# KiCad board Scan_Head_Set-Relay_board.kicad_pcb (continued)
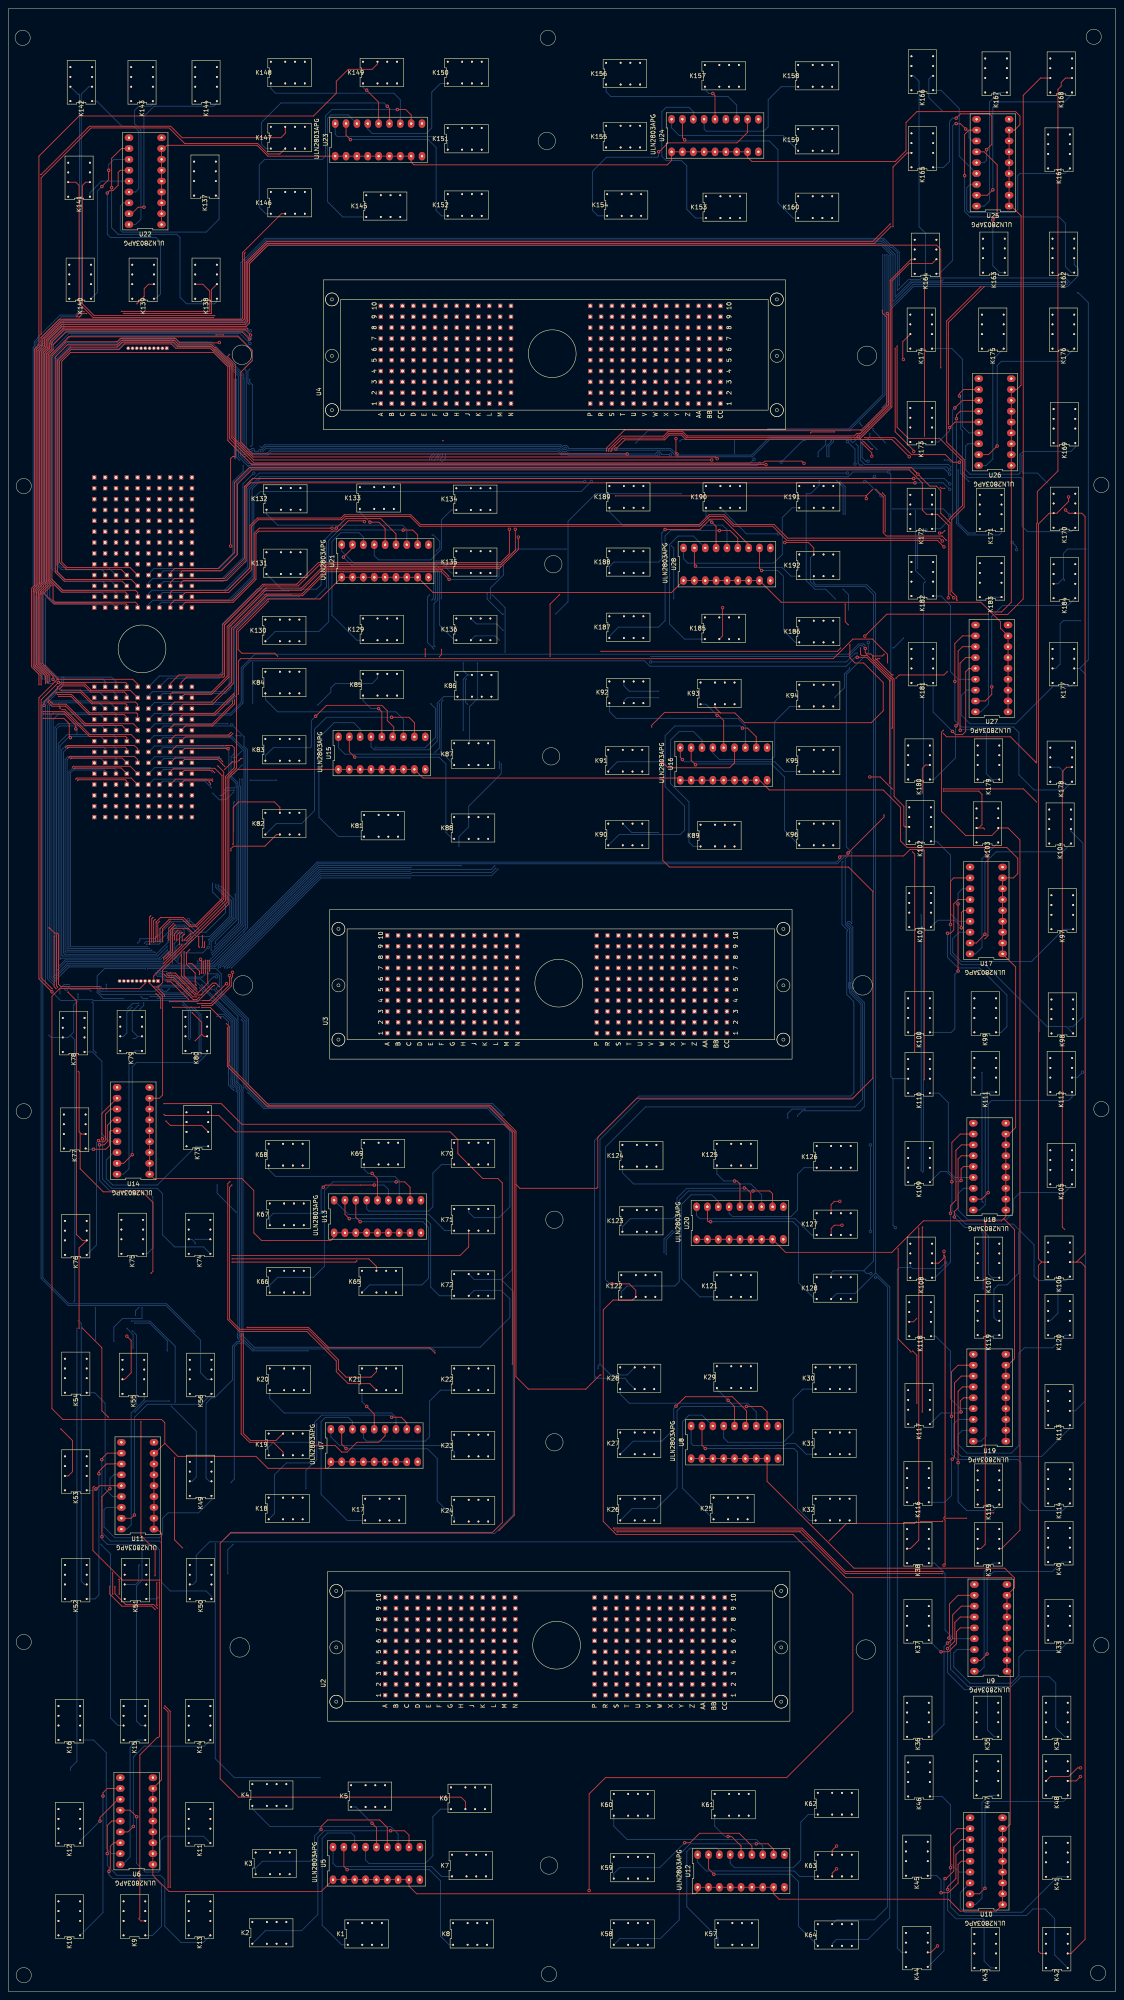
[diagram p0: board, top side]
## Routing (per net, layer and track width the routed paths; a pad name or vN(x,y) marks a point on that pad's centre or on a via; arc(x,y) is an arc through that point) (continued)
IO103: length 618.3
  Top w0.2: v11(165.86,358.71) 165.45,359.11 57.25,359.11 52.51,363.86 52.51,380.74 48.5,384.74 48.19,384.74 47.58,385.36 39.88,385.36 38.86,386.37 26.4,386.37 25.37,385.35 13.74,385.35 11.03,382.63 11.03,332.07 13.04,330.05 26.56,330.05 U1.L7
  +12V w0.2: v11(165.86,358.71) 165.86,358.65 167.64,356.87 167.64,348.23 K190.11 ; 201.17,195.58 203.45,197.87 203.45,336.3 198.63,341.12 v3(180.15,341.12) ; 201.17,195.58 199.64,194.06 193.8,194.06 K126.11 ; 201.17,195.58 202.69,195.58 205.99,192.28 205.99,47.75 201.42,43.18 194.56,43.18 K62.11
  Bottom w0.2: v3(180.15,341.12) 172.72,341.12 K190.11
IO104: length 608.6
  Top w0.2: v11(164.59,358.41) 57.38,358.41 52.11,363.69 52.11,380.57 48.34,384.34 48.03,384.34 47.41,384.96 39.62,384.96 38.61,385.97 26.56,385.97 25.4,384.81 14.48,384.81 11.43,381.76 11.43,332.23 13.21,330.45 28.7,330.45 U1.L6
  +12V w0.2: K190.21 166.62,356.38 v11(164.59,358.41)
  AGND w0.2: v12(201.74,198.12) 200.47,199.39 200.15,199.39 ; 200.15,199.39 193.55,199.39 192.53,198.37 K126.21 ; 200.15,199.39 202.29,201.52 202.29,325.53 200.66,327.15 183.64,327.15 180.85,329.95 180.85,342.65 173.23,350.27 167.64,350.27 166.62,351.28 K190.21 ; K62.21 192.79,47.5 195.58,50.29 203.45,50.29 205.74,52.58 205.74,173.86 v12(201.74,177.86)
  Bottom w0.2: v12(201.74,177.86) v12(201.74,198.12)
IO105: length 692.9
  Top w0.2: U1.M6 30.23,327.41 29.72,327.91 12.7,327.91 10.16,330.45 10.16,382.78 13.46,386.08 25.4,386.08 26.16,386.84 39.12,386.84 40.13,385.83 49.26,385.83 v11(49.34,385.9)
  +12V w0.2: K189.11 142.49,348.74 142.49,355.85 141.86,356.49 ; K125.11 170.18,194.31 176.28,194.31 177.17,195.2 ; v11(49.34,385.9) 49.34,383.73 53.85,379.22 53.85,361.44 57.91,357.38 87.69,357.38 87.8,357.27 133.82,357.27 133.93,357.38 134.99,357.38 135.5,356.87 139.79,356.87 140.18,357.27 141.08,357.27 141.86,356.49 ; K61.11 170.94,43.43 181.61,43.43 182.63,44.45 182.63,45.47 198.12,60.96 198.12,94.63 184.87,107.87 184.87,153.96 181.86,156.97 166.12,156.97 163.58,159.51 163.58,168.4 165.35,170.18 180.56,170.18 183.86,173.48 183.86,190.54 179.2,195.2 177.17,195.2 ; 141.86,356.49 150.24,356.49 152.27,354.46 152.27,259.97 155.59,256.65 189.63,256.65 197.1,249.17 197.1,206.25 196.09,205.23 184.91,205.23 177.17,197.48 177.17,195.2
IO106: length 652.5
  Top w0.2: U1.M7 27.69,327.15 27.32,327.51 12.53,327.51 9.65,330.4 9.65,382.84 14.06,387.24 53.77,387.24 57,384.02 57,381.61 54.36,378.97 54.36,362.57 57.11,359.81 v11(144.78,359.81)
  +12V w0.2: v11(144.78,359.81) v10(144.78,357.19)
  AGND w0.2: v10(144.78,357.19) 144.78,353.06 K189.21 146.05,350.27 149.61,350.27 150.62,349.25 150.62,330.45 154.69,326.39 194.31,326.39 197.36,323.34 197.36,233.43 200.66,230.12 200.66,207.21 198.18,204.72 187.2,204.72 180.1,197.63 ; 180.1,197.63 169.91,197.63 K125.21 ; 180.1,197.63 182.47,195.26 182.47,110.13 197.87,94.74 197.87,64.01 181.36,47.5 169.42,47.5 168.66,46.74 K61.21
IO107: length 725.3
  +12V w0.2: v3(130.3,361.13) 131.83,359.6 v10(131.83,358.2)
  AGND w0.2: 154.94,180.09 155.45,180.59 155.45,197.61 163.07,205.23 198.12,205.23 200.26,207.37 200.26,229.96 196.96,233.26 196.96,249.07 189.23,256.79 154.94,256.79 151.64,260.1 151.64,314.04 150.21,315.47 145.29,315.47 K187.11 143,317.75 134.37,317.75 131.06,321.06 131.06,357.44 v10(131.83,358.2) ; 154.94,180.09 154.18,179.32 147.83,179.32 147.07,178.56 K123.11 ; 154.94,180.09 154.94,115.32 161.29,108.97 182.12,108.97 197.47,93.62 197.47,64.26 181.21,48.01 160.53,48.01 145.8,33.27 145.8,27.18 K59.11
  Bottom w0.2: U1.M8 25.15,327.41 24.64,327.91 12.7,327.91 9.76,330.85 9.76,382.63 14.73,387.6 53.59,387.6 57.06,384.14 57.06,381.67 55.37,379.98 55.37,379.48 55.63,379.22 55.63,361.44 56.22,360.85 56.7,360.85 56.7,360.86 56.96,361.13 57.34,361.13 57.6,360.86 57.6,360.49 57.51,360.4 58.48,360.4 58.48,360.64 58.74,360.9 59.45,360.9 60.09,361.55 129.12,361.55 129.85,360.83 130,360.83 v3(130.3,361.13)
IO108: length 727.1
  +12V w0.2: 143.13,320.93 149.99,320.93 151.38,319.53 151.38,314.2 v10(150.94,313.75) ; 143.13,320.93 142.49,320.29 133.6,320.29 130.11,323.79 v10(130.11,325.63) ; 143.13,320.93 K187.21 ; v3(56.5,385.69) 57.4,384.78 57.4,381.51 55.37,379.48 55.37,361.19 58.67,357.89 61.5,357.89 61.61,357.78 128.23,357.78 128.85,358.39 129.63,358.39 v10(129.82,358.2)
  AGND w0.2: v10(150.94,313.75) 151.24,313.45 151.24,259.93 154.77,256.39 188.87,256.39 196.56,248.7 196.56,233.09 199.86,229.79 199.86,207.54 198.09,205.77 163.04,205.77 155.14,197.87 154.94,197.87 154.94,181.61 153.67,180.34 149.61,180.34 148.34,181.61 ; v10(130.11,325.63) 130.05,325.69 130.05,357.97 v10(129.82,358.2) ; 148.34,181.61 K123.21 ; 148.34,181.61 146.3,179.58 146.3,175.77 148.59,173.48 153.67,173.48 154.54,172.61 154.54,115.15 161.12,108.57 181.95,108.57 197.07,93.45 197.07,64.43 181.13,48.49 160.45,48.49 145.03,33.08 K59.21
  Bottom w0.2: U1.M9 22.61,326.64 21.84,327.41 12.45,327.41 9.36,330.49 9.36,383.25 14.12,388 54.18,388 v3(56.5,385.69)
IO109: length 773.9
  +12V w0.2: 148.08,193.04 148.3,193.04 160.53,205.27 160.53,206.25 161.8,207.52 194.31,207.52 196.3,209.51 196.3,248.84 189.3,255.85 154.81,255.85 150.98,259.68 150.98,312.31 150.88,312.42 140.72,312.42 129.41,323.73 129.41,329.31 132.08,331.98 132.08,332.74 132.71,333.38 142.62,333.38 ; 148.08,193.04 149.86,191.26 153.67,191.26 153.54,191.13 153.54,168.28 166.02,155.8 181.2,155.8 183.64,153.36 183.64,106.88 196.95,93.57 196.95,65.18 181.45,49.69 181.16,49.98 156.4,49.98 150.11,43.69 146.81,43.69 145.03,41.91 K60.11 ; 148.08,193.04 K124.11 ; v10(153.67,344.68) 153.67,354.58 150.96,357.29 148.08,357.29 148.08,357.38 147.57,357.89 147.57,358.9 148.14,358.9 v10(148.84,359.6) ; 142.62,333.38 K188.11 ; 142.62,333.38 142.24,333.76 142.24,338.33 146.3,342.39 v10(151.32,342.39) ; v10(157.73,363.41) 157.03,364.11 129.16,364.11 129.03,363.98 129.03,363.73 126.49,361.19 59.18,361.19 58.17,362.2 58.17,377.95 57.91,378.21 57.91,379.48 58.71,380.28 58.71,388.07 58.42,388.37 56.91,388.37 v3(56.64,388.64)
  AGND w0.2: v10(153.67,344.68) 152.08,344.68 151.32,343.92 v10(151.32,342.39) ; v10(157.73,363.41) 157.73,362.2 157.51,361.98 151.09,361.98 148.84,359.73 v10(148.84,359.6)
  Bottom w0.2: U1.N9 21.74,324.72 10.5,324.72 9.14,326.08 9.14,329.58 8.56,330.16 8.56,383.58 9.25,384.27 9.25,384.98 13.08,388.8 55.95,388.8 56.13,388.62 56.15,388.64 v3(56.64,388.64)
IO110: length 735.2
  Top w0.2: v9(156.21,363.41) 156.21,360.07 v11(156.46,359.81)
  +12V w0.2: v10(57.34,377.62) 57.15,377.43 57.15,361.56 58.1,360.61 126.62,360.61 129.42,363.41 v10(138.68,363.41) ; v10(154.24,184.15) 154.24,168.28 166.06,156.46 181.1,156.46 184.15,153.42 184.15,106.93 197.36,93.73 197.36,64.77 197.1,64.77 181.61,49.28 v10(178.82,49.28) ; K188.21 144.02,337.31 145.03,338.33 149.35,338.33 150.24,339.22 ; 150.24,339.22 151.78,337.67 151.78,259.89 155.43,256.25 189.46,256.25 196.7,249.01 196.7,207.37 195.83,206.5 185.42,206.5 184.42,205.5 v10(161.78,205.5) ; 150.24,339.22 151.32,340.3 v10(151.32,341.12) ; v11(156.46,359.81) 156.46,344.09 v10(156.29,343.92)
  AGND w0.2: K124.21 148.59,196.6 153.92,196.6 154.05,196.72 ; v10(156.29,343.92) 154.12,343.92 v10(151.32,341.12) ; 154.05,196.72 154.24,196.53 v10(154.24,184.15) ; 154.05,196.72 154.43,197.1 154.43,198.37 161.56,205.5 v10(161.78,205.5) ; v9(156.21,363.41) 156.21,363.47 155.96,363.73 139,363.73 v10(138.68,363.41) ; v10(178.82,49.28) 146.81,49.28 145.03,47.5 K60.21 ; v12(56.64,386.84) 56.9,386.59 57.91,386.59 57.91,381.76 55.63,379.48 55.63,379.33 v10(57.34,377.62)
  Bottom w0.2: v12(56.64,386.84) 55.08,388.4 13.25,388.4 9.65,384.81 9.65,384.11 8.96,383.41 8.96,330.33 9.65,329.63 9.65,326.14 10.67,325.12 23.88,325.12 U1.N8
IO111: length 849.8
  Top w0.2: v11(56.65,387.64) 55.42,388.87 12.95,388.87 10.16,386.08 10.16,385.63 10.01,385.48 10.01,384.33 8.85,383.17 8.85,330.06 9.95,328.97 8.23,327.25 10.76,324.72 27.52,324.72 27.69,324.55 U1.N7 ; v5(141.22,165.61) 145.29,165.61 146.81,164.08 K122.11 146.07,161.81 141.49,161.81 139.19,159.51 139.19,109.98 142.24,106.93 183.64,106.93 197.61,92.96 197.61,65.53 182.12,50.04 139.7,50.04 135.89,46.23 v11(135.89,23.62)
  +12V w0.2: 197.87,321.82 198.63,321.82 201.59,318.86 201.59,316.08 v3(201.23,315.72) ; 197.87,321.82 197.87,325.31 v10(200.41,327.85) ; 197.87,321.82 193.29,317.25 189.23,317.25 188.47,316.48 K186.11 ; v3(198.12,357.46) 198.12,348.15 v10(202.35,343.92) ; K58.11 143.76,9.65 138.43,9.65 135.89,12.19 v11(135.89,23.62) ; v3(196.34,362.71) 129.29,362.71 126.77,360.2 57.94,360.2 56.64,361.5 56.64,379.22 58.31,380.89 58.31,386.75 58.08,386.99 57.3,386.99 v11(56.65,387.64)
  AGND w0.2: v10(202.35,343.92) 202.65,343.62 202.65,329.44 201.07,327.85 v10(200.41,327.85)
  Bottom w0.2: v3(196.34,362.71) 198.12,360.93 v3(198.12,357.46) ; v5(141.22,165.61) 140.72,165.61 139.7,166.62 139.7,197.61 149.1,207.01 198.12,207.01 199.9,208.79 199.9,231.24 197.21,233.92 197.21,234.67 197.18,234.71 197.18,234.82 197.13,234.98 197.14,234.99 197.13,235.01 197.13,235.01 197.12,235.02 197.12,235.18 197.09,235.35 197.11,235.37 197.11,235.45 197.1,235.45 197.11,235.51 197.11,235.67 197.1,235.72 197.11,235.73 197.11,235.74 197.13,235.76 197.13,235.77 197.13,235.81 197.12,235.83 197.13,235.86 197.13,235.99 197.16,236.01 197.16,236.09 197.19,236.12 197.21,236.19 197.21,248.81 196.24,249.78 196.24,250.16 196.5,250.42 196.88,250.42 197.36,249.94 197.36,266.59 196.09,267.86 196.09,308.19 201.23,313.33 v3(201.23,315.72)
IO112: length 845.9
  Top w0.2: v11(56.38,386.68) 54.69,388.37 13.46,388.37 10.41,385.32 10.41,384.16 9.25,383 9.25,330.23 10.41,329.07 10.41,325.63 10.92,325.12 29.72,325.12 30.23,324.61 U1.N6
  +12V w0.2: v10(197.8,207.26) 197.51,207.56 197.51,249.34 189.8,257.05 155.76,257.05 152.67,260.14 152.67,287.09 152.68,287.08 153.26,287.08 153.67,287.49 153.67,288.07 153.26,288.48 152.68,288.48 152.67,288.47 152.67,288.52 152.94,288.8 152.91,288.8 152.91,316.74 155.19,319.02 159.51,319.02 ; 159.51,319.02 171.2,319.02 171.82,318.4 v10(173.11,318.4) ; 159.51,319.02 152.97,325.57 152.97,354.71 150.79,356.89 147.9,356.89 146.87,357.91 146.87,358.93 147.07,359.12 v10(147.07,359.6) ; v11(56.38,386.68) 56.67,386.39 57.71,386.39 57.91,386.59 57.91,381.25 56.13,379.48 56.13,361.44 57.91,359.66 127.25,359.66 129.42,361.83 134.49,361.83 v10(135.64,360.68)
  AGND w0.2: v10(197.8,207.26) 197.55,207.01 148.08,207.01 141.22,200.15 141.22,175.51 146.81,169.93 K122.21 146.81,166.37 145.54,165.1 142.49,165.1 138.43,161.04 138.43,109.22 139.95,107.7 181.86,107.7 196.67,92.89 196.67,64.77 182.19,50.29 139.19,50.29 136.4,47.5 136.4,18.8 137.67,17.53 144.27,17.53 145.03,16.76 K58.21 ; v10(173.11,318.4) 177.18,318.4 181.61,322.83 187.45,322.83 188.47,321.82 K186.21 ; v10(135.64,360.68) 137.01,359.3 146.77,359.3 v10(147.07,359.6)
IO113: length 749.8
  Top w0.2: v4(203,351.54) 204.72,349.82 204.72,341.38 205.49,340.61 218.5,340.61 v4(219.51,339.6) ; v9(10.16,233.93) 7.11,236.98 7.11,302.77 11.56,307.21 ; v4(56.02,389.06) 55.81,389.27 12.79,389.27 9.76,386.25 9.76,385.8 9.61,385.65 9.61,384.49 8.45,383.33 8.45,329.9 9.38,328.97 7.83,327.42 7.83,327.08 7.87,327.04 7.87,310.9 11.56,307.21 ; U1.P6 30.23,305.94 29.08,307.09 11.68,307.09 11.56,307.21
  +12V w0.2: v4(203,351.54) 201.74,352.8 v1(201.74,355.8) ; v4(56.02,389.06) 56.3,389.34 58.01,389.34 59.18,388.17 59.18,362.97 60.56,361.59 126.13,361.59 128.52,363.98 128.52,364.04 129,364.51 157.62,364.51 159,363.13 159,363.11 195.73,363.11 v1(196.34,363.73) ; v10(234,329.69) 236.07,327.61 236.07,211.44 v1(233.49,208.85) ; v1(229.11,338.92) 220.13,338.92 219.51,339.54 v4(219.51,339.6)
  AGND w0.2: v2(198.37,362.13) 197.94,362.13 v1(196.34,363.73) ; v2(236.41,177.74) 236.73,178.05 236.73,205.61 v1(233.49,208.85) ; v2(199.9,357.21) 201.59,357.21 201.77,357.03 201.77,355.83 v1(201.74,355.8) ; K55.11 29.97,145.03 29.97,150.37 27.69,152.65 11.94,152.65 10.67,153.92 10.67,233.43 v9(10.16,233.93) ; v1(229.11,338.92) 229.36,338.67 229.36,331.72 231.39,329.69 K183.11 v10(234,329.69)
  Bottom w0.2: v2(236.41,177.74) 236.41,168.08 233.68,165.35 231.65,165.35 230.63,164.34 230.63,157.73 231.39,156.97 K119.11 ; v2(198.37,362.13) 198.84,361.66 198.84,357.61 199.24,357.21 v2(199.9,357.21)
IO114: length 771.9
  Top w0.2: v4(218.19,379.98) 218.19,407.71 217.21,408.69 60.71,408.69 56.39,404.37 56.39,390.44 55.63,389.67 12.48,389.67 9.21,386.4 9.21,384.66 8.05,383.5 8.05,329.73 8.82,328.97 7.43,327.58 7.43,327.04 7.37,326.98 7.37,310.84 10.41,307.79 10.41,307.06 v5(10.41,307.06) ; U1.P7 27.69,306.07 27.39,306.37 v5(11.7,306.37) 7.62,302.29 7.62,237.24 10.18,234.68 v7(10.23,234.68) ; K55.21 27.18,143.26 28.7,144.78 28.7,152.34 v9(27.69,153.35)
  +12V w0.2: v4(218.19,379.98) 218.69,379.48 218.69,341.63 220.95,339.37 v1(227.84,339.37) ; v1(228.09,325.06) 227.84,324.81 227.84,286.57 227.97,286.44 227.97,247.82 227.84,247.69 227.84,247.11 228.09,246.85 228.09,158.24 K119.21
  AGND w0.2: v9(27.69,153.35) 12,153.35 11.18,154.18 11.18,234.19 10.67,234.7 10.24,234.7 v7(10.23,234.68) ; v1(227.84,339.37) 228.08,339.14 228.08,330.44 K183.21 227.58,329.69 228.09,329.18 v1(228.09,325.06)
  Bottom w0.2: v5(11.7,306.37) 11.1,306.37 v5(10.41,307.06)
IO115: length 809.7
  AGND w0.2: v2(246.89,399.48) 251.71,394.66 251.71,331.47 K184.11 250.43,328.69 250.43,158.48 248.92,156.97 K120.11
  Bottom w0.2: K56.11 46.48,143.26 44.96,144.78 44.96,152.4 36.83,160.53 13.97,160.53 7.62,166.88 7.62,301.3 12.45,306.12 12.45,307.59 12.95,307.59 ; 12.95,307.59 24.13,307.59 25.15,306.58 U1.P8 ; 12.95,307.59 11.43,307.59 8.64,310.39 8.64,326.02 8.74,326.13 8.74,329.41 8.16,329.99 8.16,383.75 8.64,384.22 8.64,385.06 13.21,389.64 55.37,389.64 56.39,390.65 56.39,404.37 60.71,408.69 204.22,408.69 206.5,406.4 206.5,394.46 206.7,394.46 211.72,399.48 v2(246.89,399.48)
IO116: length 812.7
  AGND w0.2: v2(245.62,165.92) 245.62,226.76 246.27,227.42 246.27,252.25 246.42,252.4 246.42,326.79 247.03,327.41 247.03,330.15 v2(247.08,330.2) ; K56.21 43.75,144.59 43.75,154.24 v2(43.59,154.4) ; v2(252.16,337.57) 252.22,337.62 252.22,394.72 247.62,399.32 v12(247.62,399.74) ; v2(11.43,307.14) v2(12.9,307.14)
  Bottom w0.2: K120.21 243.84,156.97 245.62,158.75 v2(245.62,165.92) ; U1.P9 22.61,306.58 22.04,307.14 v2(12.9,307.14) 12.9,306.01 8.02,301.13 8.02,167.04 14.13,160.94 36.99,160.94 43.52,154.4 v2(43.59,154.4) ; 246.89,330.71 246.89,336.55 247.9,337.57 v2(252.16,337.57) ; 246.89,330.71 245.62,329.44 K184.21 ; 246.89,330.71 247.08,330.51 v2(247.08,330.2) ; v12(247.62,399.74) 247.43,399.93 218.74,399.93 218.69,399.88 211.42,399.88 207.01,395.48 207.01,406.46 204.38,409.09 60.54,409.09 55.99,404.53 55.99,391.01 55.12,390.14 13.15,390.14 8.24,385.23 8.24,384.39 7.76,383.91 7.76,329.83 8.13,329.46 8.13,325.96 8.24,325.85 8.24,310.22 11.31,307.14 v2(11.43,307.14) 11.38,307.19 11.27,307.19
IO117: length 869.2
  AGND w0.2: v2(248.3,400.06) 250.19,398.17 v2(250.19,397.51) ; v2(12.46,304.03) 12.45,304.04 12.45,304.67 12.16,304.96 11.59,304.96 10.43,306.11 v2(10.43,306.18)
  Bottom w0.2: U1.R9 21.29,304.08 12.51,304.08 v2(12.46,304.03) 11.48,304.03 8.64,301.18 8.64,235.46 12.19,231.9 15.68,231.9 15.87,232.09 19.69,232.09 19.88,231.9 47.75,231.9 52.49,227.16 52.49,213.29 52.44,213.24 52.44,212.25 53.28,211.41 53.28,210.71 53.66,210.32 53.66,153.98 53.61,153.93 53.61,153.75 53.56,153.69 53.56,152.89 54.1,152.34 54.1,152.13 53.52,152.13 52.43,151.04 52.43,143.11 48.26,138.94 47.5,138.94 46.23,137.67 46.23,120.14 46.99,119.38 K49.11 ; 250.7,309.63 K177.11 ; 250.7,309.63 252.1,308.23 252.1,138.31 249.68,135.89 K113.11 ; 250.7,309.63 252.73,311.66 252.73,395.22 250.44,397.51 v2(250.19,397.51) ; v2(248.3,400.06) 247.35,401.01 213.68,401.01 213.36,400.68 210.69,400.68 208.03,398.02 208.03,406.91 206.76,408.18 206.42,408.18 204.71,409.89 60.21,409.89 55.19,404.87 55.19,391.43 54.7,390.94 12.82,390.94 7.22,385.35 7.22,384.5 6.96,384.24 6.96,329.5 7.33,329.13 7.33,326.18 7.22,326.07 7.22,310.11 8.93,308.4 8.93,306.41 9.21,306.13 10.38,306.13 v2(10.43,306.18)
IO118: length 886.9
  AGND w0.2: v2(38.1,136.96) 38.1,149.61 33.53,154.18 13.21,154.18 11.58,155.81 11.58,234.35 10.8,235.13 10.23,235.13 9.65,235.71 9.65,303.28 11.18,304.8 ; 11.18,304.8 v2(9.4,306.58) ; 11.18,304.8 11.5,304.48 v2(12,304.48) ; K177.21 240.54,305.82 240.54,226.06 244.77,221.83 244.77,163.06 246.36,161.47 246.36,137.16 245.09,135.89 K113.21 ; v2(250.88,320.8) 252.62,322.55 252.62,394.88 250.7,396.81 250.7,412.24 247.65,415.29 224.54,415.29 221.23,411.99 221.23,403.1 v2(218.69,400.56)
  Bottom w0.2: K177.21 245.11,309.63 246.13,310.64 246.13,320.04 246.89,320.8 v2(250.88,320.8) ; v2(9.4,306.58) 9.4,308.49 7.62,310.27 7.62,325.91 7.73,326.01 7.73,329.3 7.36,329.66 7.36,384.08 7.62,384.34 7.62,385.18 12.98,390.54 54.86,390.54 55.59,391.27 55.59,404.7 60.37,409.49 204.55,409.49 207.52,406.52 207.52,396.55 211.25,400.28 218.42,400.28 v2(218.69,400.56) ; K49.21 42.93,119.38 43.94,120.4 43.94,131.12 v2(38.1,136.96) ; v2(12,304.48) 24.2,304.48 25.15,303.53 U1.R8
IO119: length 769.4
  Top w0.2: v9(217.92,341.31) 218.57,341.31 v4(219.14,341.88) ; U1.R7 27.69,303.53 27.11,304.11 19.18,304.11 17.75,305.53 12.67,305.53 v4(11.94,304.8) ; v4(9.3,306.22) 9.06,306.47 9.06,308.02 6.57,310.51 6.57,327.31 6.63,327.37 6.63,327.91 7.68,328.97 7.25,329.4 7.25,383.83 8.41,384.99 8.41,386.74 12.22,390.54 55.12,390.54 55.59,391.01 55.59,404.7 60.37,409.49 202.22,409.49 v4(206.37,413.64) ; v4(220.15,344.61) 223.27,347.73 223.27,358.18 222.86,358.59 222.82,358.59 217.93,363.47 210.57,363.47 207.97,366.07 v4(207.97,385.06)
  +12V w0.2: v1(8.95,302.58) 8.95,304.1 9.65,304.8 10.72,304.8 ; v4(207.97,385.06) 207.97,413.25 207.36,413.85 206.59,413.85 v4(206.37,413.64) ; 10.72,304.8 v4(9.3,306.22) ; 10.72,304.8 v4(11.94,304.8) ; v4(219.14,341.88) 219.14,343.6 v4(220.15,344.61)
  AGND w0.2: K182.11 215.65,329.95 215.39,330.2 ; K54.11 17.78,143.51 16.26,145.03 16.26,151.38 15.39,152.25 11.58,152.25 8.89,154.94 9.02,155.07 9.02,302.06 8.95,302.13 v1(8.95,302.58) ; v2(213.9,191.73) 213.65,191.48 213.65,157.48 214.41,156.72 K118.11 ; 215.39,330.2 214.83,330.2 v2(214.57,329.95) ; 215.39,330.2 214.52,331.07 214.52,341.27 214.57,341.31 v9(217.92,341.31)
  Bottom w0.2: v2(213.9,191.73) 214.12,191.95 214.12,329.5 v2(214.57,329.95)
IO120: length 763.3
  Top w0.2: U1.R6 28.49,304.51 19.34,304.51 17.88,305.97 12.29,305.97 11.63,305.31 v4(11.43,305.31) 11.43,304.88 8.32,301.77 v9(8.32,300.99) ; v11(211.88,360.36) 211.88,360.64 207.52,365 v4(207.52,384.56) ; v4(9.65,306.58) 9.65,307.99 6.97,310.67 6.97,327.14 7.03,327.2 7.03,327.75 8.25,328.97 7.65,329.57 7.65,383.66 8.81,384.83 8.81,386.57 12.39,390.14 55.37,390.14 55.99,390.76 55.99,404.53 60.54,409.09 202.59,409.09 v4(206.51,413) ; K118.21 211.78,156.72 v4(212.54,157.48)
  +12V w0.2: v4(212.54,157.48) 212.54,191.83 212.52,191.84 212.6,191.84 213.42,192.67 v1(213.42,193.23) ; v4(206.51,413) 206.51,413.14 206.82,413.45 207.2,413.45 207.52,413.13 v4(207.52,384.56) ; v1(212.85,340.56) 208.34,340.56 204.98,343.92 204.98,352.32 211.88,359.22 v11(211.88,360.36) ; v4(9.65,306.58) 10.92,305.31 v4(11.43,305.31)
  AGND w0.2: K182.21 212.71,329.95 213.16,330.4 ; v1(213.42,193.23) 213.42,251.52 213.16,251.79 213.16,330.4 ; 213.16,330.4 213.72,330.96 213.72,339.69 v1(212.85,340.56) ; K54.21 15.24,145.54 15.24,151.13 14.73,151.64 11.43,151.64 8.32,154.75 v9(8.32,300.99)
IO121: length 816.1
  Top w0.2: v4(12.35,304.52) 12.38,304.55 16.84,304.55 19.63,301.75 29.72,301.75 30.23,301.24 U1.S6 ; v4(211.64,149.86) 212.59,148.91 v4(212.59,137.67) ; v4(204.53,350.69) 205.17,350.05 v4(205.17,341.63)
  +12V w0.2: v4(205.17,341.63) 206.76,340.05 206.76,321.31 212.85,315.21 212.85,310.9 ; v4(211.64,149.86) 209.19,152.31 209.19,176.34 209.7,176.85 209.7,177.91 v1(208.03,179.58) ; 212.85,310.9 211.29,310.9 210.78,311.4 205.43,311.4 v1(204.92,310.9) ; 212.85,310.9 v1(214.57,310.9) ; 10.03,304.16 9.91,304.04 9.91,238.05 8.32,239.64 8.32,239.71 8.06,239.97 7.68,239.97 7.42,239.71 7.42,239.34 7.68,239.07 7.75,239.07 9.11,237.72 9.11,235.33 8.66,234.88 8.66,233.31 9.06,232.92 9.06,232.24 9.07,232.23 9.07,231.38 9.02,231.33 9.02,230.95 9.14,230.83 9.14,134.11 15.49,127.76 15.49,123.44 K53.11 ; 10.03,304.16 9.85,304.35 v1(9.84,304.35) ; 10.03,304.16 10.22,304.35 12.18,304.35 v4(12.35,304.52) ; v1(208.69,385.83) 208.69,396.84 v1(208.44,397.09) ; v4(212.59,137.67) 212.59,137.42 213.87,136.14 K117.11 ; v4(204.53,350.69) 204.53,352.61 206.69,354.78 206.69,359.22 206.56,359.35 208.73,361.52 v1(208.73,380.74)
  AGND w0.2: v2(8.48,307.09) 8.48,306.86 9.68,305.66 9.75,305.66 10.16,305.25 10.16,304.67 v1(9.84,304.35) ; v1(204.92,310.9) 203.96,309.94 203.96,183.64 v1(208.03,179.58) ; K181.11 215.14,310.9 v1(214.57,310.9) ; v1(208.73,380.74) 208.69,380.77 v1(208.69,385.83) ; v1(208.44,397.09) 208.44,399.25 v2(208.48,399.29)
  Bottom w0.2: v2(208.48,399.29) 208.48,407.02 206.81,408.69 206.48,408.69 204.88,410.29 60.04,410.29 54.36,404.6 54.36,391.34 12.65,391.34 6.82,385.51 6.82,384.67 6.56,384.41 6.56,329.33 6.93,328.96 6.93,326.34 6.82,326.24 6.82,309.94 8.48,308.28 v2(8.48,307.09)
IO122: length 653.2
  Top w0.2: U1.S7 27.69,301.1 27.43,301.35 19.45,301.35 16.76,304.04 11.23,304.04 v4(11.07,303.89) ; v4(205.74,310.95) 205.74,312.93 202.18,316.48 197.61,316.48 193.04,311.91 54.36,311.91 53.79,311.35 v4(53.79,303.53) ; K53.21 13.97,120.65 14.99,121.67 14.99,128.91 v4(12.26,131.64)
  +12V w0.2: 10.31,246.53 10.31,303.12 v4(11.07,303.89) ; 10.31,246.53 10.31,235.57 10.68,235.2 10.68,234.41 10.86,234.22 10.86,233.64 10.45,233.23 9.86,233.23 9.86,232.58 9.87,232.56 9.87,231.38 9.92,231.33 9.92,230.95 9.66,230.69 9.54,230.69 9.54,134.35 v4(12.26,131.64) ; 10.31,246.53 43.33,246.53 54.19,257.39 54.19,288.73 54.45,288.99 54.52,288.99 54.86,289.33 54.86,302.46 v4(53.79,303.53) ; v1(208.03,180.34) 210.1,178.27 210.1,176.68 209.59,176.17 209.59,152.67 v1(209.64,152.62) ; 205.49,310.39 205.74,310.64 v4(205.74,310.95) ; 205.49,310.39 205.05,310.39 v1(205.01,310.35) ; 205.49,310.39 v1(209.49,310.39)
  AGND w0.2: K117.21 209.8,136.14 209.3,136.65 209.3,152.28 v1(209.64,152.62) ; v1(205.01,310.35) 204.36,309.7 204.36,183.9 207.92,180.34 v1(208.03,180.34) ; v1(209.49,310.39) 210.57,310.39 K181.21
IO123: length 642.4
  Top w0.2: v4(141.83,107.98) 185.64,107.98 195.83,97.79 v4(218.64,97.79)
  +12V w0.2: v4(141.83,107.98) 140.77,106.93 43.18,106.93 32.26,96.01 K51.11 ; v4(218.64,97.79) 228.6,97.79 229.72,98.91 229.72,116.22 v1(229.62,116.33) ; K179.11 230.38,287.02 229.64,286.28 229.64,241.53 232.92,238.25 232.92,208.53 230.63,206.25 v1(230.63,164.4)
  AGND w0.2: 230.63,117.86 230.12,118.36 230.12,163.89 v1(230.63,164.4) ; 230.63,117.86 231.14,117.35 K115.11 ; 230.63,117.86 229.62,116.84 v1(229.62,116.33) ; v2(10.52,235.58) 10.92,235.58 15.75,230.75 15.75,156.97 18.09,154.63 v2(28.96,154.63) ; K51.11 30.73,95.25 30.16,95.82 30.16,137.16 v2(30,137.32)
  Bottom w0.2: v2(30,137.32) 29.97,137.35 29.97,153.61 v2(28.96,154.63) ; v2(10.52,235.58) 9.14,236.95 9.14,300.99 10.16,302.01 19.27,302.01 19.3,301.97 23.41,301.97 U1.S8
IO124: length 644.9
  Top w0.2: v4(141.56,108.41) 141.59,108.43 185.76,108.43 195.91,98.28 v4(218.71,98.28)
  +12V w0.2: K51.21 31.5,99.57 31.5,103.63 35.31,107.44 140.59,107.44 v4(141.56,108.41) ; v1(227.64,227.84) 227.69,227.89 227.69,246.69 227.44,246.94 227.44,247.85 227.57,247.98 227.57,286.27 K179.21 ; v1(228.6,165.35) 228.6,119.38 226.82,117.6 K115.21 225.04,117.35 223.77,116.08 223.77,100.22 221.74,98.19 218.87,98.19 218.78,98.28 v4(218.71,98.28)
  AGND w0.2: v1(228.6,165.35) 228.6,177.55 228.09,178.05 v2(228.09,184.66) ; v2(10.69,236.05) 11.01,236.05 15.92,231.14 27.43,231.14 29.66,228.92 29.66,159.07 38.55,150.17 38.55,110.43 30.61,102.5 v2(30.61,99.82) ; v2(227.84,215.08) 227.64,215.27 v1(227.64,227.84)
  Bottom w0.2: K51.21 29.72,95.25 30.48,96.01 30.48,99.69 v2(30.61,99.82) ; v2(227.84,215.08) 227.84,184.91 v2(228.09,184.66) ; U1.S9 21.27,301.57 10.29,301.57 9.54,300.82 9.54,237.19 v2(10.69,236.05)
IO125: length 613.6
  Top w0.2: v4(213.96,178.91) 213.87,178.81 v4(213.87,135.64) ; v4(213.87,280.47) 213.87,286.26 214.63,287.02 K180.11 ; v5(194.54,265.46) 194.82,265.75 209.5,265.75 211.02,267.27 v4(214.12,267.27) 214.32,267.07 v4(214.32,213.36)
  +12V w0.2: K116.11 214.88,117.86 213.87,118.87 v4(213.87,135.64) ; v4(213.96,178.91) 214.32,179.27 v4(214.32,213.36) ; v4(213.87,280.47) 213.87,267.52 v4(214.12,267.27)
  AGND w0.2: v2(19.56,231.59) 19.3,231.84 v2(19.3,234.13) ; v2(20.51,219.65) 16.32,215.46 v2(16.32,157.04) ; v2(10.87,237.15) 11.18,237.15 v2(13.17,235.17)
  Bottom w0.2: K52.11 17.78,95.25 17.02,96.01 17.02,156.34 v2(16.32,157.04) ; v2(13.17,235.17) 13.21,235.22 13.83,235.22 14.6,234.44 18.99,234.44 v2(19.3,234.13) ; v2(19.56,231.59) 19.81,231.34 19.81,220.35 v2(20.51,219.65) ; U1.T9 21.48,298.81 11.54,298.81 10.44,297.72 10.44,237.58 v2(10.87,237.15) 13.89,240.18 48.09,240.18 72.22,264.31 193.81,264.31 194.54,265.04 v5(194.54,265.46)
IO126: length 625.7
  Top w0.2: v4(211.18,149.67) 211.18,149.75 208.22,152.72 v4(208.22,173.8) ; v4(204.92,275.34) 204.92,274.85 v5(196.51,266.45)